# Allegro board HY_CH482X_V10_240923.brd
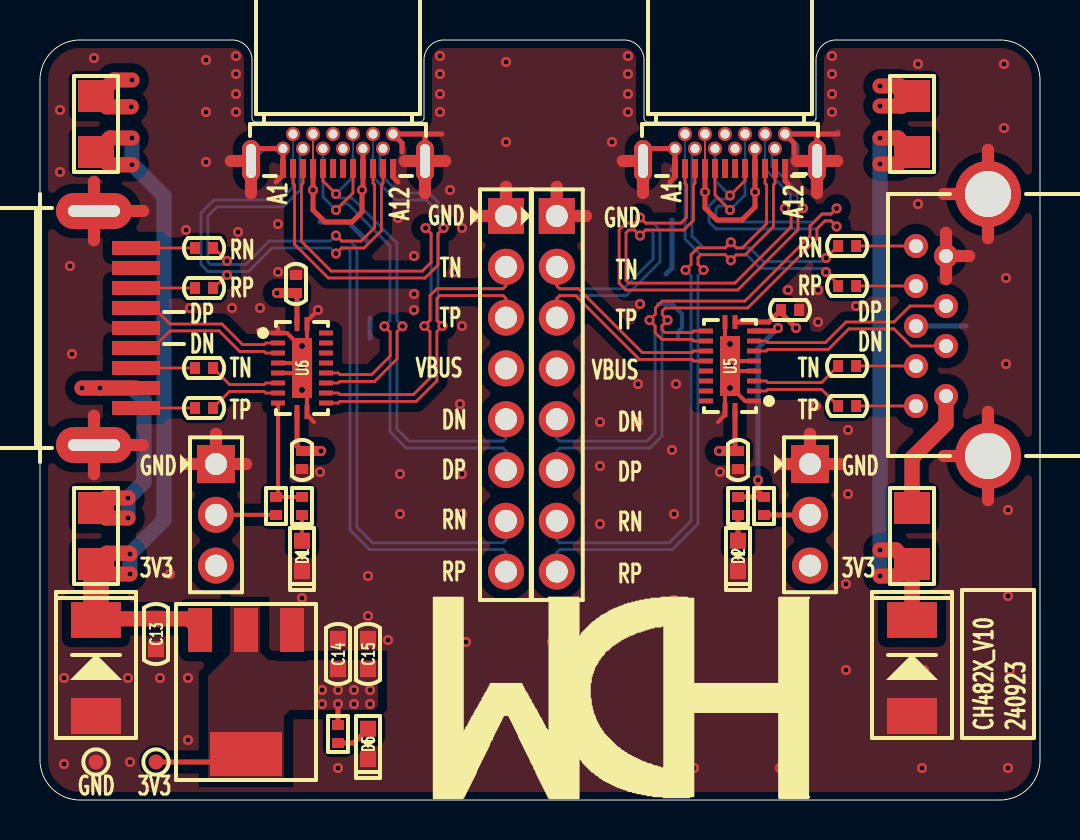
[diagram p0: board, top side]
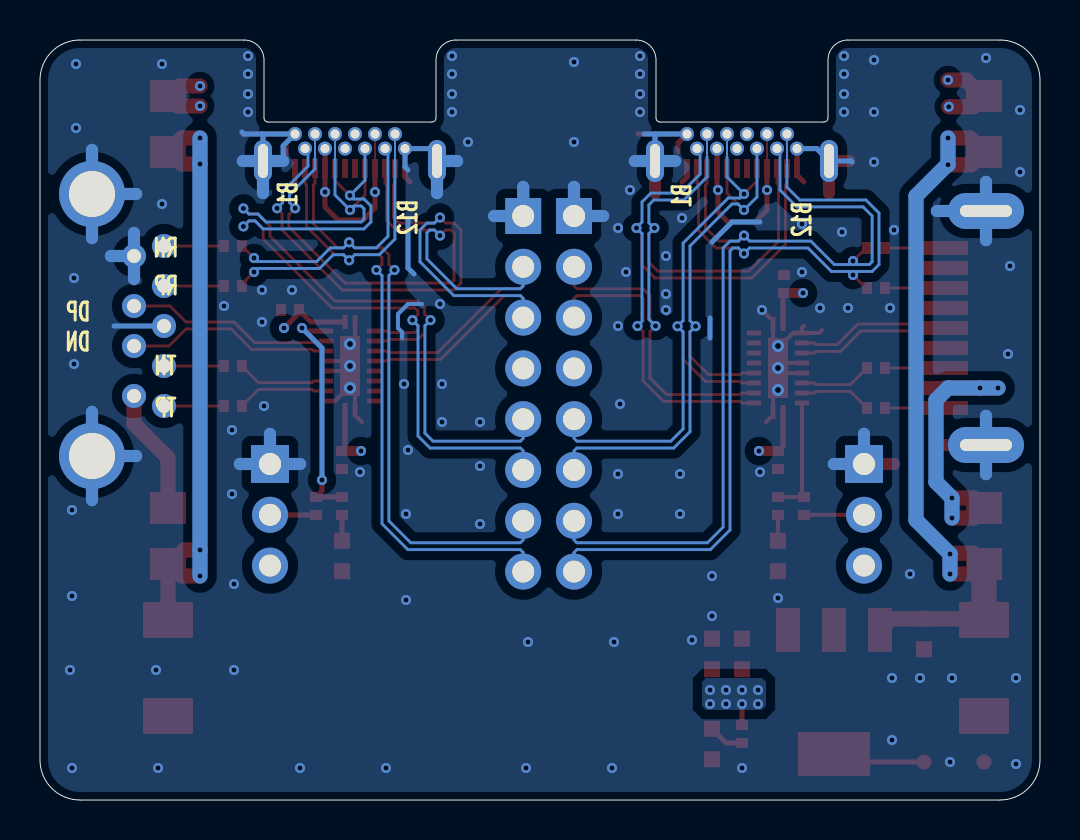
[diagram p1: board, bottom side, seen from below]

Outline 50 x 38 mm; copper layers: TOP, L02_GND, L03_VCC, BOTTOM. Coordinates in mm from the lower left corner of the outline.
Outline path: 0,36 arc(0.59,37.41) 2,38 9.6,38 arc(10.31,37.71) 10.6,37 10.6,34.1 arc(10.66,33.96) 10.8,33.9 19,33.9 arc(19.14,33.96) 19.2,34.1 19.2,37 arc(19.49,37.71) 20.2,38 29.2,38 arc(29.91,37.71) 30.2,37 30.2,34.1 arc(30.26,33.96) 30.4,33.9 38.6,33.9 arc(38.74,33.96) 38.8,34.1 38.8,37 arc(39.09,37.71) 39.8,38 48,38 arc(49.41,37.41) 50,36 50,2 arc(49.41,0.59) 48,0 2,0 arc(0.59,0.59) 0,2 0,36

## Design rules (mm)
constraint set DEFAULT: min track width 0.1, pair gap 0.203
net group 1_SSRX2_: nets 1_SSRX2_N 1_SSRX2_P
net group 1_SSTX2_: nets 1_SSTX2_N 1_SSTX2_P
net group 1_TX_: nets 1_TX_N 1_TX_P
net group 1_USB_D: nets 1_USB_D+ 1_USB_D-
net group 1_USBD_: nets 1_USBD_N 1_USBD_P
net group SSRX2_: nets SSRX2_N SSRX2_P
net group SSTX2_: nets SSTX2_N SSTX2_P
net group TX_: nets TX_N TX_P
net group USB_D: nets USB_D+ USB_D-
net group USBD_: nets USBD_N USBD_P

## Placement (name value [footprint] x y rotation side)
C1  10nF_50V  [C0402]  40.36 27.7 0 top
C2  10nF_50V  [C0402]  8.2 27.6 180 top
C3  100nF_50V  [C0402]  12.8 25.8 270 top
C4  10nF_50V  [C0402]  40.36 25.7 0 top
C5  10nF_50V  [C0402]  8.2 25.6 180 top
C6  100nF_50V  [C0402]  37.5 24.5 180 top
C7  10nF_50V  [C0402]  40.36 21.7 0 top
C8  10nF_50V  [C0402]  8.2 21.6 180 top
C9  10nF_50V  [C0402]  40.36 19.7 0 top
C10  10nF_50V  [C0402]  8.2 19.6 180 top
C11  100nF_50V  [C0402]  13.1 17 90 top
C12  100nF_50V  [C0402]  34.9 17 90 top
C13  4.7uF_16V  [C0603]  5.8 8.3 270 top
C14  4.7uF_16V  [C0603]  14.9 7.3 90 top
C15  4.7uF_16V  [C0603]  16.4 7.3 90 top
D1  RED  [LED0603]  13.1 12.2 270 top
D2  RED  [LED0603]  34.9 12.2 270 top
D3  P6SMB6.8CA  [DO-214AA]  2.8 6.6 270 top
D4  P6SMB6.8CA  [DO-214AA]  43.6 6.6 270 top
D5  RED  [LED0603]  16.4 2.8 270 top
F1  SL1206300  [FUSE1206]  2.8 33.8 90 top
F2  SL1206300  [FUSE1206]  43.6 33.8 90 top
F3  SL1206300  [FUSE1206]  2.8 13.2 270 top
F4  SL1206300  [FUSE1206]  43.6 13.2 270 top
J1  -  [CN1X8-2P54-Z]  23.3 29.2 270 top
J2  -  [CN1X8-2P54-Z]  25.84 29.2 270 top
J3  -  [CN1X3-2P54-Z]  8.8 16.8 270 top
J4  -  [CN1X3-2P54-Z]  38.5 16.8 270 top
NOREF  -  []  0 0 0 top
NOREF#2  -  []  0 0 90 top
R1  1K  [R0402]  11.8 14.7 90 top
R2  1K  [R0402]  13.1 14.7 270 top
R3  1K  [R0402]  34.9 14.7 270 top
R4  1K  [R0402]  36.2 14.7 90 top
R5  2.2K  [R0402]  14.9 3.3 270 top
TP1  TP/NI  [TP-0R75]  2.8 1.9 0 top
TP2  TP/NI  [TP-0R75]  5.8 1.9 0 top
U1  -  [U261-241N-4BC2LS]  14.9 33.8 180 top
U2  -  [U261-241N-4BC2LS]  34.5 33.8 180 top
U3  -  [U231-091N-1BLRC19-F1]  45.3 23.7 90 top
U4  -  [U237-091N-4BLVS10-1]  3.9 23.6 270 top
U5  CH482X  [QFN20-4R5X2R5X0R5-3R0X1R0]  34.5 21.7 90 top
U6  CH482X  [QFN20-4R5X2R5X0R5-3R0X1R0]  13.1 21.6 270 top
U7  LDL1117S33R  [SOT223]  10.3 5.4 180 top

## Library data of the parts
C1 C2 C4 C5 C7-C10 = cap_0
C3 C6 C11-C15 = CAP NP_2
D1 D2 D5 = LED
D3 D4 = P6SMB_1
F1-F4 = FUSE
J1 J2 = CONN RCPT 8/SM
J3 J4 = CONN RCPT 3
R1-R5 = R_Generic
TP1 TP2 = TestPoint
U1 U2 = USB-C-24P_0
U3 U4 = U237-091N-4BLVS20_0
U5 U6 = CH482X_0
U7 = AMS1117-3.3

## Footprints (pads in the part's own frame, mm; a bottom-side part is the same pattern mirrored in y, then rotated)
C0402
  rect 0.5x0.6 smd: 1(-0.45,0) 2(0.45,0)
C0603
  rect 0.8x0.8 smd: 1(-0.762,0) 2(0.762,0)
CN1X3-2P54-Z
  rect 1.9x1.9 hole 1.1: 1(0,0)
  round 1.8 hole 1.1: 2(2.54,0) 3(5.08,0)
CN1X8-2P54-Z
  rect 1.8x1.8 hole 1.1: 1(0,0)
  round 1.8 hole 1.1: 2(2.54,0) 3(5.08,0) 4(7.62,0) 5(10.16,0) 6(12.7,0) 7(15.24,0) 8(17.78,0)
DO-214AA
  rect 1.8x2.5 smd: 1(2.4,0) 2(-2.4,0)
FUSE1206
  rect 1.6x1.8 smd: 1(-1.4,0) 2(1.4,0)
LED0603
  rect 0.8x0.8 smd: 1(-0.762,0) 2(0.762,0)
QFN20-4R5X2R5X0R5-3R0X1R0
  rect 0.25x0.7 smd: 1(-1.75,-1.2) 2(-1.25,-1.2) 3(-0.75,-1.2) 4(-0.25,-1.2) 5(0.25,-1.2) 6(0.75,-1.2) 7(1.25,-1.2) 8(1.75,-1.2) 11(1.75,1.2) 12(1.25,1.2) 13(0.75,1.2) 14(0.25,1.2) 15(-0.25,1.2) 16(-0.75,1.2) 17(-1.25,1.2) 18(-1.75,1.2)
  rect 0.7x0.25 smd: 9(2.2,-0.25) 10(2.2,0.25) 19(-2.2,0.25) 20(-2.2,-0.25)
  rect 3x1 smd: 21(0,0)
R0402
  rect 0.5x0.6 smd: 1(-0.45,0) 2(0.45,0)
SOT223
  rect 1.2x2.2 smd: 1(-2.3,-3.1) 2(0,-3.1) 3(2.3,-3.1)
  rect 3.6x2.2 smd: 4(0,3.1)
TP-0R75
  round 0.75 smd: 1(0,0)
U231-091N-1BLRC19-F1
  round 1.2 hole 0.7: 1(-3.5,0) 2(-1,0) 3(1,0) 4(3.5,0) 5(4,1.5) 6(2,1.5) 7(0,1.5) 8(-2,1.5) 9(-4,1.5)
  round 3.3 hole 2.3: 10(-6.5,-2.1) 11(6.6,-2.1)
U237-091N-4BLVS10-1
  rect 0.7x2.4 smd: 1(3,0.9) 2(1,0.9) 3(-1,0.9) 4(-3,0.9) 5(-4,0.9) 6(-2,0.9) 7(0,0.9) 8(2,0.9) 9(4,0.9)
  oval 1.8x3.8 hole 0.6x2.6: 10(-5.85,-1.2) 11(5.85,-1.2)
U261-241N-4BC2LS
  oval 0.9x2.1 hole 0.5x1.7: 1(-4.35,1.85) 2(4.35,1.85)
  rect 0.3x0.95 smd: A1(2.75,2.225) A2(2.25,2.225) A3(1.75,2.225) A4(1.25,2.225) A5(0.75,2.225) A6(0.25,2.225) A7(-0.25,2.225) A8(-0.75,2.225) A9(-1.25,2.225) A10(-1.75,2.225) A11(-2.25,2.225) A12(-2.75,2.225)
  round 0.7 hole 0.45: B1(-2.75,0.5) B2(-2.25,1.23) B3(-1.75,0.5) B4(-1.25,1.23) B5(-0.75,0.5) B6(-0.25,1.23) B7(0.25,0.5) B8(0.75,1.23) B9(1.25,0.5) B10(1.75,1.23) B11(2.25,0.5) B12(2.75,1.23)

## Nets
GND: C3.1 C6.1 C11.1 C12.1 C13.2 C14.2 C15.2 D1.2(CATHODE) D2.2(CATHODE) D3.1 D4.1 D5.2(CATHODE) J1.1 J2.1 J3.1 J4.1 TP1.1 U1.1 U1.2 U1.A1 U1.A12 U1.B1 U1.B12 U2.1 U2.2 U2.A1 U2.A12 U2.B1 U2.B12 U3.4 U3.7 U3.10 U3.11 U4.4 U4.7 U4.10 U4.11 U5.1 U5.4 U5.5 U5.10 U5.19 U5.21 U6.1 U6.4 U6.5 U6.10 U6.19 U6.21 U7.1
VBUS: C13.1 D3.2 F1.1 F3.2 U7.3
VBUS_TYPEC: F1.2 J1.4 U1.A4 U1.A9 U1.B4 U1.B9
VCC3V3: C3.2 C6.2 C11.2 C12.2 C14.1 C15.1 J3.3 J4.3 R5.1 TP2.1 U5.9 U5.20(VDD_2) U6.9 U6.20(VDD_2) U7.2 U7.4(OUT_2)
1_SSRX2_N: C1.1 J2.7 U2.A10 U2.B10
1_SSRX2_P: C4.1 J2.8 U2.A11 U2.B11
1_SSTX2_N: J2.2 U2.A3 U2.B3 U5.13
1_SSTX2_P: J2.3 U2.A2 U2.B2 U5.14
1_TX_N: C7.1 U5.3
1_TX_P: C9.1 U5.2
1_USB_D+: U3.3 U5.7
1_USB_D-: U3.2 U5.6
1_USBD_N: J2.5 U2.A5 U2.B5 U5.12
1_USBD_P: J2.6 U2.A8 U2.B8 U5.11
1_VBUS: D4.2 F2.1 F4.2
1_VBUS_TYPEC: F2.2 J2.4 U2.A4 U2.A9 U2.B4 U2.B9
GPIO35/SEL: R1.2 R2.1 U6.8
GPIO37/CH482X_SEL_N: R3.1 R4.2 U5.8
SSRX2_N: C2.1 J1.7 U1.A10 U1.B10
SSRX2_P: C5.1 J1.8 U1.A11 U1.B11
SSTX2_N: J1.2 U1.A3 U1.B3 U6.12
SSTX2_P: J1.3 U1.A2 U1.B2 U6.11
TX_N: C8.1 U6.6
TX_P: C10.1 U6.7
USB_D+: U4.3 U6.2
USB_D-: U4.2 U6.3
USBD_N: J1.5 U1.A5 U1.B5 U6.13
USBD_P: J1.6 U1.A8 U1.B8 U6.14
N17527404: F4.1 U3.1(VBUS)
N17527479: C1.2 U3.5
N17527490: C4.2 U3.6
N17527515: C7.2 U3.8
N17527520: C9.2 U3.9
N17532124: F3.1 U4.1(VBUS)
N17532252: C2.2 U4.5
N17532269: C5.2 U4.6
N17532311: C10.2 U4.9
N17536755: J3.2 R1.1
N17542614: J4.2 R4.1
N17546142: C8.2 U4.8
N175319821: D1.1 R2.2
N175324851: D5.1 R5.2
N175425771: D2.1 R3.2

Pads without a net: U1 A6 A7 B6 B7; U2 A6 A7 B6 B7; U5 15 16 17 18; U6 15 16 17 18

## Via types
v1: diameter 0.508, hole 0.254, TOP to BOTTOM, 162 vias
v2: diameter 0.61, hole 0.305, TOP to BOTTOM, 6 vias

## Routing (per net, layer and track width the routed paths; a pad name or vN(x,y) marks a point on that pad's centre or on a via; arc(x,y) is an arc through that point)
GND: length 262.8
  TOP w0.203: U5.1 35.25,19.95 34.76,20.44 34.76,20.6 v2(34.5,20.6) 34.45,20.6 34.25,20.4 U5.19 34.25,19.25 33.9,18.9 ; v2(13.1,20.5) 13.35,20.25 U6.10 13.35,19.25 13.7,18.9 ; 10.9,23.5 11.05,23.35 U6.1 ; U6.1 12.35,23.35 12.84,22.86 12.84,22.7 v2(13.1,22.7) 13.35,22.95 U6.19 13.35,23.95 13.7,24.3 ; U6.1 11.9,23.6 11.8,23.7 ; U5.4 34.75,21.45 v2(34.5,21.7) 34.75,21.95 U5.5 ; U5.10 34.25,23.05 v2(34.5,22.8) ; U6.5 12.85,21.35 v2(13.1,21.6) 12.85,21.85 U6.4
  TOP w0.254: 17.9,30.9 17.65,31.15 17.65,31.57 ; 37.7,32.3 37.7,32.85 U2.B1 38.9,33.3 ; 39.9,33.3 38.9,33.3 ; 38.9,33.3 38.85,33.25 U2.1 ; U2.2 30.15,32.32 30.4,32.57 U2.B12 31.75,31.15 31.5,30.9 ; U1.2 10.55,32.32 10.8,32.57 U1.B12 12.15,31.25 11.8,30.9 ; 37.25,31.57 37.25,30.95 37.4,30.8 ; U1.1 19.25,33.25 19.3,33.3 ; 20.1,33.3 19.3,33.3 ; 19.3,33.3 U1.B1 18.1,32.85 18.1,32.4
  TOP w0.608: U3.11 47.4,32.51 ; U3.11 45.19,30.3 ; U3.11 47.4,28.09 ; U1.1 20.26,31.95 ; U1.1 19.25,30.34 ; U1.1 18.24,31.95 ; J3.1 8.8,18.31 ; J3.1 10.31,16.8 ; J3.1 7.29,16.8 ; U4.10 2.7,30.91 ; U4.10 2.7,27.99 ; U4.10 5.16,29.45 ; 45.3,26.04 U3.4 ; U3.4 45.3,28.36 ; U3.4 46.46,27.2 ; 29.14,31.95 U2.2 30.15,30.34 ; 2.7,16.29 U4.11 ; U4.11 5.16,17.75 ; U4.11 2.7,19.21 ; 23.3,30.66 J1.1 21.84,29.2 ; 25.84,30.66 J2.1 27.3,29.2 ; J4.1 40.01,16.8 ; J4.1 38.5,18.31 ; J4.1 36.99,16.8 ; 45.19,17.2 U3.10 ; U3.10 47.4,19.41 ; U3.10 47.4,14.99 ; U2.1 39.86,31.95 ; U2.1 38.85,30.34 ; U2.1 37.84,31.95 ; 9.54,31.95 U1.2 10.55,30.34
  L02_GND w0.608: 9.54,31.95 U1.2 10.55,30.34 ; U2.1 39.86,31.95 ; U2.1 37.84,31.95 ; U2.1 38.85,30.34 ; 45.19,17.2 U3.10 ; U3.10 47.4,14.99 ; U3.10 47.4,19.41 ; 27.3,29.2 J2.1 25.84,30.66 ; 36.99,16.8 J4.1 ; J4.1 38.5,18.31 ; J4.1 40.01,16.8 ; 2.7,16.29 U4.11 ; U4.11 5.16,17.75 ; U4.11 2.7,19.21 ; 2.7,27.99 U4.10 ; U4.10 2.7,30.91 ; U4.10 5.16,29.45 ; 30.15,30.34 U2.2 29.14,31.95 ; J3.1 10.31,16.8 ; J3.1 8.8,18.31 ; J3.1 7.29,16.8 ; 19.25,30.34 U1.1 ; U1.1 18.24,31.95 ; U1.1 20.26,31.95 ; 21.84,29.2 J1.1 23.3,30.66 ; 47.4,28.09 U3.11 ; U3.11 45.19,30.3 ; U3.11 47.4,32.51 ; 45.3,26.04 U3.4 ; U3.4 46.46,27.2 ; U3.4 45.3,28.36
  L03_VCC w0.608: 2.7,27.99 U4.10 ; U4.10 2.7,30.91 ; U4.10 5.16,29.45 ; 25.84,30.66 J2.1 27.3,29.2 ; 23.3,30.66 J1.1 21.84,29.2 ; 45.3,26.04 U3.4 ; U3.4 45.3,28.36 ; U3.4 46.46,27.2 ; 47.4,14.99 U3.10 ; U3.10 45.19,17.2 ; U3.10 47.4,19.41 ; 18.24,31.95 U1.1 ; U1.1 19.25,30.34 ; U1.1 20.26,31.95 ; U4.11 5.16,17.75 ; U4.11 2.7,16.29 ; U4.11 2.7,19.21 ; 38.5,18.31 J4.1 40.01,16.8 ; 45.19,30.3 U3.11 ; U3.11 47.4,32.51 ; U3.11 47.4,28.09 ; 8.8,18.31 J3.1 7.29,16.8
  BOTTOM w0.203: 31.9,23.1 31.9,23.4 32.1,23.6 32.1,24.3 31.6,24.8 30.9,24.8
  BOTTOM w0.254: 39.9,33.4 39.8,33.3 38.9,33.3 ; 16.5,23.1 16.5,24.1 ; U2.2 30.15,32.32 30.4,32.57 U2.B12 31.75,31.65 31.6,31.5 ; 16.4,27.9 15.4,28.9 14,28.9 ; 38.9,33.3 38.85,33.25 U2.1 ; 38.9,33.3 U2.B1 37.84,32.71 37.84,31.95 ; 31.3,26.3 31.6,26.6 31.6,29 ; 9.4,31.9 9.45,31.95 U1.2 11.17,32.57 U1.B12 ; U1.B1 19.2,33.3 ; 19.2,33.3 19.25,33.25 U1.1 ; 19.2,33.3 19.8,33.3 ; U3.7 46.3,23.7
  BOTTOM w0.608: 36.99,16.8 J4.1 ; J4.1 38.5,18.31 ; J4.1 40.01,16.8 ; 45.3,26.04 U3.4 ; U3.4 45.3,28.36 ; U3.4 46.46,27.2 ; 47.4,28.09 U3.11 ; U3.11 45.19,30.3 ; U3.11 47.4,32.51 ; 25.84,30.66 J2.1 27.3,29.2 ; 47.4,14.99 U3.10 ; U3.10 45.19,17.2 ; U3.10 47.4,19.41 ; 23.3,30.66 J1.1 21.84,29.2 ; 2.7,19.21 U4.11 2.7,16.29 ; U2.1 39.86,31.95 ; U2.1 38.85,30.34 ; U2.1 37.84,31.95 ; 10.31,16.8 J3.1 8.8,18.31 ; 18.24,31.95 U1.1 20.26,31.95 ; U4.10 5.16,29.45 ; U4.10 2.7,27.99 ; U4.10 2.7,30.91 ; 29.14,31.95 U2.2 30.15,30.34
  vias: v1(1,34.5) v1(1,31.4) v1(1.2,6.1) v1(1.2,1.8) v1(1.5,26.7) v1(1.6,22.3) v1(2.7,37.1) v1(4.4,6.1) v1(4.5,1.9) v1(6,6.1) v1(6.5,11.3) v1(7.3,28.5) v1(7.4,6.1) v1(7.4,3) v1(7.5,24.6) v1(8.3,37) v1(8.3,34.4) v1(8.3,31.9) v1(9.6,24.6) v1(9.8,37.2) v1(9.8,36.3) v1(9.8,35.3) v1(9.8,34.4) v1(9.9,28.4) v1(11,24.6) v1(11.9,28.8) v1(11.9,26.4) v1(13.1,10.1) v1(13.9,24.5) v1(14,16.4) v1(14.9,1.6) v1(16.4,11.2) v1(16.4,9.2) v1(17.4,8) v1(17.9,29.1) v1(18,16.3) v1(18,14.3) v1(18.7,27.2) v1(18.7,25.3) v1(18.7,24.5) v1(20,37.2) v1(20,36.3) v1(20,35.3) v1(20,34.4) v1(20.5,30.5) v1(20.7,26.4) v1(21,19.8) v1(21.1,28.6) v1(21.1,23.7) v1(21.1,16.3) v1(21.1,14.3) v1(21.3,7.9) v1(21.4,1.6) v1(23.3,36.9) v1(23.3,32.9) v1(25.6,7.9) v1(25.7,1.6) v1(28,18.9) v1(28,16.7) v1(28,13.8) v1(28.6,32.9) v1(29.4,37.2) v1(29.4,36.3) v1(29.4,35.3) v1(29.4,34.4) v1(29.9,20.8) v1(29.9,18.9) v1(30,24.8) v1(31.6,17.5) v1(31.7,14.3) v1(31.7,10) v1(31.8,20.8) v1(32.7,1.6) v1(34,16.4) v1(37,1.6) v1(37.4,25.5) v1(38.8,19.7) v1(38.9,25.5) v1(38.9,23.9) v1(39.6,37.2) v1(39.6,36.3) v1(39.6,35.3) v1(39.6,34.4) v1(40.3,10.8) v1(40.3,6.5) v1(40.4,18.5) v1(40.4,15.3) v1(40.8,24.7) v1(43.9,36.8) v1(43.9,29.8) v1(44.1,1.6) v1(44.2,6.5) v1(48.2,36.8) v1(48.2,33.6) v1(48.3,26.1) v1(48.3,21.8) v1(48.4,14.5) v1(48.4,10.2) v1(48.4,1.6) v1(48.5,6.5)
VBUS: length 39.4
  TOP w0.762: v1(4.5,11.3) 3.3,11.3 F3.2 3.34,12.34 4.46,12.34 v1(4.5,12.3) ; v1(4.6,31.76) 3.44,31.76 F1.1 3.5,33.1 v1(4.6,33.1) ; D3.2 2.86,9.06 C13.1 7.44,9.06 U7.3
  TOP w1.27: F3.2 D3.2
  BOTTOM w0.762: v1(4.6,33.1) v1(4.6,31.76) 4.64,31.76 6.2,30.2 6.2,14 v1(4.5,12.3) v1(4.5,11.3)
VBUS_TYPEC: length 50.7
  TOP w0.1: U1.B9 13.65,31.57
  TOP w0.254: 13.65,31.57 v1(13.65,30.5) 13.65,29.5 14.25,28.9 15.6,28.9 16.1,29.4 v1(16.1,30.5) 16.15,30.55 U1.B4
  TOP w0.762: v1(4.6,36) 3.7,36 2.9,35.2 F1.2 3.34,34.66 v1(4.56,34.66)
  L03_VCC w0.1: 13.9,31.5 13.65,31.75 U1.B9
  L03_VCC w0.762: U1.B4 16.1,32.52 16.1,31.4 ; v1(4.6,36) 4.56,35.96 v1(4.56,34.66) 6.6,32.62 6.6,30.66 7.36,29.9 13,29.9 13.6,30.5 v1(13.65,30.5) 13.65,31.25 13.9,31.5 16,31.5 16.1,31.4 ; 16.1,31.4 v1(16.1,30.5) 16.1,22.5 17.02,21.58 J1.4
VCC3V3: length 22.3
  TOP w0.254: R5.1 v1(14.9,4.8) ; U6.20 12.85,25.3 C3.2 ; U5.20 34.75,17.6 C12.2 ; U5.9 36.45,23.9 C6.2 37.05,24.35 v1(37.8,23.6) ; C11.2 12.85,17.7 U6.9 ; TP2.1 9.9,1.9 U7.4
  TOP w0.508: C3.2 v1(11.85,25.35) ; C12.2 v1(33.95,17.45) ; C11.2 v1(14.05,17.45)
  L03_VCC w1.27: 11.1,11.7 11.08,11.72 J3.3 ; J4.3 36.62,11.72 36.6,11.7
  vias: v1(14.1,5.5) v1(14.1,4.8) v1(14.9,5.5) v1(15.7,5.5) v1(15.7,4.8) v1(16.5,5.5) v1(16.5,4.8)
1_SSRX2_N: length 42
  TOP w0.142: C1.1 39.9,27.7 v1(39.3,27.1) ; v1(32.28,26.5) 32.55,26.78 32.55,27.26 32.9,27.61 34.26,27.61 v1(34.54,27.89) 34.83,27.6 35.11,27.6 36.33,28.82 36.33,30.76 36.25,30.84 36.25,31.57
  BOTTOM w0.142: U2.B10 32.6,32.42 32.6,28.19 33.18,27.61 34.26,27.61 v1(34.54,27.89) 34.82,27.61 35.48,27.61 36.17,26.92 39.12,26.92 v1(39.3,27.1) ; J2.7 25.84,13 25.98,12.86 31.46,12.86 32.55,13.95 32.55,26.22 v1(32.28,26.5)
1_SSRX2_P: length 43.9
  TOP w0.142: 36.75,31.57 36.75,30.84 36.67,30.76 36.67,28.67 35.25,27.25 34.81,27.25 v1(34.54,26.99) 34.26,27.26 33.04,27.26 32.9,27.12 32.9,26.78 v1(33.18,26.5) ; C4.1 39.91,25.79 v1(39.3,26.4)
  BOTTOM w0.1: U2.B11 32.25,31.95
  BOTTOM w0.142: J2.8 25.84,12.38 25.98,12.52 31.61,12.52 32.9,13.81 32.9,26.22 v1(33.18,26.5) ; 32.25,31.95 32.25,31.95 32.25,28.05 33.04,27.26 34.26,27.26 v1(34.54,26.99) 34.82,27.26 35.34,27.26 36.02,26.58 39.12,26.58 v1(39.3,26.4)
1_SSTX2_N: length 42.2
  TOP w0.142: J2.2 25.84,25.7 25.98,25.56 26.93,25.56 30.12,22.37 32.61,22.37 32.69,22.45 U5.13 ; 32.75,31.57 32.75,30.84 32.67,30.76 32.67,28.98 32.19,28.5 30.28,28.5 v1(30,28.22) 29.72,28.5 29.44,28.5 29.3,28.36 29.3,25.99 29.44,25.85 34.75,25.85 37.55,28.65 37.55,29.28 v1(37.24,29.59)
  BOTTOM w0.1: 36.25,32.05 U2.B3
  BOTTOM w0.142: v1(30,28.22) 30.28,28.5 30.51,28.5 30.65,28.36 30.65,27.05 29.16,25.56 25.98,25.56 25.84,25.7 J2.2 ; v1(37.24,29.59) 37.52,29.87 37.52,30.28 36.25,31.55 36.25,32.05 36.25,32.05
1_SSTX2_P: length 43.7
  TOP w0.142: 32.25,31.57 32.25,30.84 32.33,30.76 32.33,29.13 32.05,28.85 30.28,28.85 v1(30,29.12) 29.72,28.85 29.3,28.85 28.95,28.5 28.95,25.84 29.3,25.5 34.89,25.5 37.9,28.51 37.9,29.34 v1(38.15,29.59) ; J2.3 25.84,25.08 25.98,25.22 26.78,25.22 29.97,22.03 32.61,22.03 32.69,21.95 U5.14
  BOTTOM w0.142: U2.B2 36.6,32.42 36.6,31.69 37.87,30.42 37.87,29.87 v1(38.15,29.59) ; v1(30,29.12) 30.28,28.85 30.66,28.85 31,28.5 31,26.91 29.31,25.22 25.98,25.22 25.84,25.08 J2.3
1_TX_N: length 4.6
  TOP w0.142: U5.3 36.31,20.95 36.39,20.87 39.08,20.87 C7.1
1_TX_P: length 4.6
  TOP w0.142: C9.1 39.08,20.53 36.39,20.53 36.31,20.45 U5.2
1_USB_D+: length 10.4
  TOP w0.142: U3.3 43.5,24.7 42.7,23.9 40.3,23.9 39.27,22.87 36.39,22.87 36.31,22.95 U5.7
1_USB_D-: length 10.4
  TOP w0.142: U5.6 36.31,22.45 36.39,22.53 39.42,22.53 40.44,23.55 42.7,23.55 43.55,22.7 U3.2
1_USBD_N: length 41.7
  TOP w0.142: v1(39.83,29.58) 39.55,29.3 39.1,29.3 38.5,28.7 38.5,28.2 35.25,24.95 31.11,24.95 30.77,24.6 30.77,24.29 v1(30.48,23.99) 30.75,23.72 30.75,23.37 31.1,23.03 32.61,23.03 32.69,22.95 U5.12 ; v1(34.5,29.5) 33.75,30.25 33.75,31.57
  BOTTOM w0.1: 35.25,32.05 U2.B5
  BOTTOM w0.142: v1(30.48,23.99) 30.58,23.89 30.58,23.89 30.75,23.71 30.75,18.34 30.35,17.94 25.98,17.94 25.84,18.08 J2.5 ; v1(39.83,29.58) 39.55,29.3 39.1,29.3 38.7,28.9 33.94,28.9 33.8,29.04 33.8,29.56 33.94,29.7 34.3,29.7 v1(34.5,29.5) 35.25,30.25 35.25,32.05
1_USBD_P: length 40.1
  TOP w0.142: U5.11 32.69,23.45 32.61,23.37 31.24,23.37 31.1,23.51 31.1,23.72 v1(31.38,23.99) 31.11,24.26 31.11,24.46 31.26,24.6 35.39,24.6 38.85,28.06 38.85,28.56 39.24,28.95 39.55,28.95 v1(39.83,28.68) ; 35.25,31.57 35.25,30.97 v1(34.5,30.23)
  BOTTOM w0.142: v1(31.38,23.99) 31.1,23.72 31.1,18.2 30.5,17.6 25.98,17.6 25.84,17.46 J2.6 ; U2.B8 33.75,30.98 v1(34.5,30.23) 34.32,30.05 33.8,30.05 33.45,29.71 33.45,28.9 33.8,28.55 38.84,28.55 39.24,28.95 39.55,28.95 v1(39.83,28.68)
1_VBUS: length 32
  TOP w0.762: v1(42,31.8) 42.9,31.8 43.55,32.45 ; 43.5,11.8 F4.2 D4.2 ; 43.5,11.8 42.9,11.2 v1(42,11.2) ; 43.5,11.8 42.8,12.5 v1(42,12.5) ; 43.55,32.45 42.9,33.1 v1(42,33.1) ; 43.55,32.45 F2.1
  BOTTOM w0.762: v1(42,33.1) v1(42,31.8) v1(42,12.5) v1(42,11.2)
1_VBUS_TYPEC: length 46.5
  TOP w0.1: 33.25,31.57 U2.B9
  TOP w0.254: U2.B4 v1(35.75,30.4) 35.75,29.65 35.1,29 33.85,29 33.25,29.6 v1(33.25,30.4) 33.25,31.57
  TOP w0.762: v1(42,35.7) 43,35.7 43.5,35.2 F2.2 43.1,34.7 v1(42,34.7)
  L03_VCC w0.1: 33.3,32 33.25,32.05 U2.B9
  L03_VCC w0.254: 33.3,32 33.3,31.7 33.9,31.1
  L03_VCC w0.508: 35.05,31.1 33.9,31.1 33.25,30.45 v1(33.25,30.4) ; 35.05,31.1 35.75,31.8 U2.B4 ; 35.05,31.1 v1(35.75,30.4)
  L03_VCC w0.762: v1(35.75,30.4) 39.94,30.4 40.7,31.16 40.7,33.4 v1(42,34.7) v1(42,35.7) ; v1(33.25,30.4) 29.2,30.4 28.6,29.8 28.6,22.1 28.08,21.58 J2.4
GPIO35/SEL: length 6
  TOP w0.203: R2.1 R1.2 11.9,15.25 U6.8
GPIO37/CH482X_SEL_N: length 11.6
  TOP w0.254: v1(36.9,23.6) 36.75,23.45 U5.8 ; R3.1 R4.2 35.9,15.45 v1(35.9,16)
  BOTTOM w0.254: v1(35.9,16) 35.9,22.6 v1(36.9,23.6)
SSRX2_N: length 47.1
  TOP w0.142: v1(14.8,28.22) 15.08,27.95 16.06,27.95 16.73,28.62 16.73,30.76 16.65,30.84 16.65,31.57 ; C2.1 8.7,27.6 v1(9.35,26.95)
  BOTTOM w0.142: J1.7 23.3,13 23.16,12.86 16.63,12.86 15.85,13.64 15.85,27.6 15.5,27.95 15.08,27.95 v1(14.8,28.22) 14.52,27.95 11.46,27.95 10.28,26.77 9.53,26.77 v1(9.35,26.95) 9.17,26.77 8.54,26.77 8.39,26.91 8.39,29.21 8.84,29.65 12.15,29.65 13,30.5 13,32.42 U1.B10
SSRX2_P: length 48.9
  TOP w0.142: 17.15,31.57 17.15,30.84 17.07,30.76 17.07,28.47 16.2,27.6 15.08,27.6 v1(14.8,27.32) ; v1(9.35,26.25) 8.7,25.6 C5.1
  BOTTOM w0.1: U1.B11 12.65,33.3 12.65,32.78 12.65,32.78 12.65,31.8 12.65,31.8
  BOTTOM w0.142: 12.65,31.8 12.65,30.64 12.01,30 8.7,30 8.05,29.35 8.05,26.77 8.39,26.43 9.17,26.43 v1(9.35,26.25) 9.53,26.43 10.43,26.43 11.6,27.6 14.52,27.6 v1(14.8,27.32) 15.08,27.6 15.36,27.6 15.5,27.46 15.5,13.5 16.48,12.52 23.16,12.52 23.3,12.38 J1.8
SSTX2_N: length 39.7
  TOP w0.142: U6.12 14.91,20.35 14.99,20.27 18.67,20.27 19.5,21.1 19.5,23.42 v1(19.22,23.7) 19.5,23.98 19.5,25.22 19.84,25.56 23.16,25.56 23.3,25.7 J1.2 ; 13.15,31.57 13.15,30.84 13.07,30.76 13.07,27.93 14.55,26.45 19.11,26.45 19.55,26.89 19.55,28.32 v1(19.28,28.6)
  BOTTOM w0.1: 16.65,32.15 U1.B3
  BOTTOM w0.142: 16.65,32.15 16.65,31.15 17.8,30 19.31,30 19.55,29.76 19.55,28.85 19.3,28.6 v1(19.28,28.6) 19.55,28.32 19.55,24.03 v1(19.22,23.7)
SSTX2_P: length 40.2
  TOP w0.142: 12.65,31.57 12.65,30.84 12.73,30.76 12.73,27.78 14.41,26.1 19.26,26.1 19.9,26.74 19.9,28.32 v1(20.18,28.6) ; J1.3 23.3,25.08 23.16,25.22 19.99,25.22 19.85,25.08 19.85,23.98 v1(20.12,23.7) 19.85,23.42 19.85,20.96 18.82,19.93 14.99,19.93 14.91,19.85 U6.11
  BOTTOM w0.142: v1(20.12,23.7) 19.9,23.92 19.9,28.32 v1(20.18,28.6) 20.18,28.62 19.9,28.9 19.9,29.9 19.45,30.35 17.94,30.35 17,31.29 17,32.42 U1.B2
TX_N: length 3.6
  TOP w0.142: U6.6 11.29,20.85 11.21,20.77 9.48,20.77 C8.1
TX_P: length 3.6
  TOP w0.142: U6.7 11.29,20.35 11.21,20.43 9.48,20.43 C10.1
USB_D+: length 7.9
  TOP w0.142: U4.3 5.7,24.6 6.5,23.8 9.1,23.8 10.13,22.77 11.21,22.77 11.29,22.85 U6.2
USB_D-: length 7.9
  TOP w0.142: U4.2 5.65,22.6 6.5,23.45 8.96,23.45 9.98,22.43 11.21,22.43 11.29,22.35 U6.3
USBD_N: length 31
  TOP w0.142: 14.15,31.57 14.15,30.95 v1(14.8,30.3) ; v1(18.12,23.69) 17.85,23.42 17.85,22.05 16.73,20.93 14.99,20.93 14.91,20.85 U6.13
  BOTTOM w0.1: 15.65,32.15 U1.B5
  BOTTOM w0.142: J1.5 23.3,18.08 23.16,17.94 18.46,17.94 17.85,18.55 17.85,23.41 v1(18.12,23.69) 17.85,23.97 17.85,27.84 15.59,30.1 15,30.1 v1(14.8,30.3) 15.65,31.15 15.65,32.15
USBD_P: length 31.4
  TOP w0.142: v1(14.8,29.5) 15.65,30.35 15.65,31.57 ; v1(17.22,23.69) 17.51,23.4 17.51,22.2 16.58,21.27 14.99,21.27 14.91,21.35 U6.14
  BOTTOM w0.142: J1.6 23.3,17.46 23.16,17.6 18.31,17.6 17.5,18.41 17.5,23.41 v1(17.22,23.69) 17.5,23.97 17.5,27.7 15.4,29.8 15.1,29.8 v1(14.8,29.5) 14.15,30.15 U1.B8
N17527404: length 6.3
  TOP w0.762: F4.1 43.6,17.1 45.3,18.8 U3.1
N17527479: length 3
  TOP w0.142: U3.5 C1.2
N17527490: length 3
  TOP w0.142: U3.6 C4.2
N17527515: length 3
  TOP w0.142: U3.8 C7.2
N17527520: length 3
  TOP w0.142: U3.9 C9.2
N17532124: length 15.9
  TOP w0.762: v1(4.4,14.1) 3.3,14.1 F3.1 3.3,15.1 v1(4.4,15.1) ; v1(2.1,20.6) v1(3,20.6) U4.1
  BOTTOM w0.762: v1(4.4,14.1) v1(4.4,15.1) 5.2,15.9 5.2,20 4.6,20.6 v1(3,20.6) v1(2.1,20.6)
N17532252: length 3
  TOP w0.142: U4.5 C2.2
N17532269: length 3
  TOP w0.142: U4.6 C5.2
N17532311: length 3
  TOP w0.142: U4.9 C10.2
N17536755: length 3
  TOP w0.203: R1.1 11.79,14.26 J3.2
N17542614: length 2.3
  TOP w0.254: J4.2 38.49,14.25 R4.1
N17546142: length 3
  TOP w0.142: U4.8 C8.2
N175319821: length 1.3
  TOP w0.203: R2.2 D1.1
N175324851: length 1.8
  TOP w0.254: D5.1 15.69,2.85 R5.2
N175425771: length 1.3
  TOP w0.254: R3.2 D2.1

## Copper pours and planes (outline as drawn; the poured copper is in the pictures)
GND on TOP: 49.6,2 49.13,0.87 48,0.4 2,0.4 0.87,0.87 0.4,2 0.4,36 0.87,37.13 2,37.6 9.6,37.6 10.02,37.42 10.2,37 10.2,34.1 10.38,33.68 10.8,33.5 19,33.5 19.42,33.68 19.6,34.1 19.6,37 19.78,37.42 20.2,37.6 29.2,37.6 29.62,37.42 29.8,37 29.8,34.1 29.98,33.68 30.4,33.5 38.6,33.5 39.02,33.68 39.2,34.1 39.2,37 39.38,37.42 39.8,37.6 48,37.6 49.13,37.13 49.6,36 ; 17 cut-outs
GND on BOTTOM: 49.6,2 49.13,0.87 48,0.4 2,0.4 0.87,0.87 0.4,2 0.4,36 0.87,37.13 2,37.6 9.6,37.6 10.02,37.42 10.2,37 10.2,34.1 10.38,33.68 10.8,33.5 19,33.5 19.42,33.68 19.6,34.1 19.6,37 19.78,37.42 20.2,37.6 29.2,37.6 29.62,37.42 29.8,37 29.8,34.1 29.98,33.68 30.4,33.5 38.6,33.5 39.02,33.68 39.2,34.1 39.2,37 39.38,37.42 39.8,37.6 48,37.6 49.13,37.13 49.6,36 ; 10 cut-outs
GND on L02_GND: 49.6,2 49.13,0.87 48,0.4 2,0.4 0.87,0.87 0.4,2 0.4,36 0.87,37.13 2,37.6 9.6,37.6 10.02,37.42 10.2,37 10.2,34.1 10.38,33.68 10.8,33.5 19,33.5 19.42,33.68 19.6,34.1 19.6,37 19.78,37.42 20.2,37.6 29.2,37.6 29.62,37.42 29.8,37 29.8,34.1 29.98,33.68 30.4,33.5 38.6,33.5 39.02,33.68 39.2,34.1 39.2,37 39.38,37.42 39.8,37.6 48,37.6 49.13,37.13 49.6,36 ; 6 cut-outs
GND on L03_VCC: 49.6,2 49.13,0.87 48,0.4 2,0.4 0.87,0.87 0.4,2 0.4,36 0.87,37.13 2,37.6 9.6,37.6 10.02,37.42 10.2,37 10.2,34.1 10.38,33.68 10.8,33.5 19,33.5 19.42,33.68 19.6,34.1 19.6,37 19.78,37.42 20.2,37.6 29.2,37.6 29.62,37.42 29.8,37 29.8,34.1 29.98,33.68 30.4,33.5 38.6,33.5 39.02,33.68 39.2,34.1 39.2,37 39.38,37.42 39.8,37.6 48,37.6 49.13,37.13 49.6,36 ; 9 cut-outs
VCC3V3 on TOP: 9.5,9.7 9.5,7.3 8.4,6.2 8.4,1.1 12.2,1.1 12.2,4.2 12.5,4.5 16.7,4.5 16.9,4.7 16.9,7 11.4,7 11,7.4 11,9.7
VCC3V3 on BOTTOM: 13.9,6.1 16.7,6.1 16.9,5.9 16.9,4.7 16.7,4.5 13.9,4.5 13.7,4.7 13.7,5.9
VCC3V3 on L03_VCC: 14.1,25.7 10.8,25.7 10.5,25.4 10.5,5 11.1,4.4 36.6,4.4 37.1,4.9 37.1,17.9 38.2,19 38.2,23.8 38.1,23.9 36.8,23.9 33.6,20.7 33.6,7 33.1,6.5 15.5,6.5 14.4,7.6 14.4,25.4

## Text on the board
Ref Des/Silkscreen Bottom: RN | RP | TN | TP | DP | DN | B12 | B1
Ref Des/Silkscreen Top: GND | 3V3 | DP | DN | RN | RP | TN | TP | VBUS | A1 | A12 | CH482X_V10 | 240923
DIMENSION: SCALE: NONE | Layers | Single Ended | Differential | If the angle of PCB board outline is circular,please use this kind of break out area | If not use it,please delete it before you gerber out | If the angle of PCB board outline is right angle,please use this kind of break out area | AS usual,please use the 0.8MM stamp Via | L1 | L4 | 5.00 | 50 | 4.2 | 6.00 | 100 | 4.70 | 90 | Trace Width | (Mils) | Impedance | (Ohms) | Trace Spacing | "Airgap" | A_TARGET:0.2 mm | B_TARGET:1.065 mm | C_TARGET:0.2 mm | ___ PUBI (PUBLIC INFORMATION) | ___ FIUO (HY INTERNAL USE ONLY) | ___ FCP (HY CONFIDENTIAL PROPRIETARY) | THIS DOCUMENT CONTAINS INFORMATION | PROPRIETARY TO FREESCALE AND SHALL | NOT BE USED FOR ENGINEERING DESIGN | PROCUREMENT OR MANUFACTURE IN WHOLE | OR IN PART WITHOUT THE CONSENT OF | NXP. | 1. THIS DRAWING SPECIFIES THE REQUIREMENTS FOR A | 2. THE PWB MUST BE LEAD FREE ASSEMBLY PROCESS COMPATIBLE AND MUST BE ABLE TO HANDLE | 3. BASE MATERIAL - LAMINATE AND PREPREG SHALL MEET IPC-4101B-26, 83 or 98 | Tg - MUST BE GREATER THAN OR EQUAL TO 150 DEGREES CELSIUS. | Td - MUST BE GREATER THAN OR EQUAL TO 330 DEGREES CELSIUS. | 4. COPPER FOIL WEIGHT - SEE STACKUP DETAIL 'A' | 5. CHARACTERISTIC IMPEDANCE - SEE DETAIL 'B' | 6. MINIMUM CONDUCTIVE WIDTH/SPACING TO BE .00X"/.00X" | 7. PLATING FINISH - BOTH SIDES ENIG (ELECTROLESS NICKEL IMMERSION GOLD): | 8. ALL THROUGH HOLE VIAS MAY BE PLATED SHUT. | - MUST BE UL RECOGNIZED AND MUST HAVE AN ID THAT CONFORMS TO UL94V-0 | 9. SOLDERMASK - GREEN COLOR (TAIYO OR EQUIVALENT), BOTH SIDES. | 10. SILKSCREEN - WHITE EPOXY INK, BOTH SIDES.  NO SILK ON PADS. | 11. ELECTRICAL TEST - 100% IPCD356. | 12. PRINTED WIRING BOARD IS TO BE INDIVIDUALLY BAGGED. | 13. DRC'S MUST BE RUN ON THE GERBER BEFORE BUILDING BOARDS, | UNLESS PRIOR APPROVAL IS GIVEN IN WRITING BY FREESCALE. | 14. ADD TEARDROPS TO ALL SIGNAL LAYERS. | 15. SOLDER SAMPLES TO BE PROVIDED. | 16. BASIC GRID INCREMENT AT 1:1 IS .0001. | 17. SUPPLIER MARKINGS - ON SOLDER SIDE ONLY, WHERE SHOWN. | MODIFICATION OF SOLDERMASK IS NOT ALLOWED WITHOUT WRITTEN PERMISSION FROM FREESCALE. | WITH SPECIFICATION IPC-A-600 CLASS 2 (LATEST REVISION). | A MINIMUM OF 5 CYCLES AT 260 DEGREES CELSIUS FOR 10 SECONDS. | 18. THE PWB WILL BE MARKED AS LEAD FREE BY USE OF AN INK STAMP Pb | 19. THE PWB WILL BE MARKED AS LEAD FREE PROCESS COMPATIBLE BY USE OF AN INK STAMP 260 C | 21. FINISHED PCB MUST BE PANELIZED FOR ASSEMBLY ACCORDING TO CONTRACT MANUFACTURING REQUIREMENT. | ADDITION OF .25" RAILS AND .125" NON-PLATED TOOLING HOLES ARE AT THE DISCRETION | OF CONTRACT MANUFACTURER AND FAB HOUSE. | PANELIZATION MUST BE APPROVED BY FREESCALE. | 2.540-6.350 MICRON (100-250 MICROINCH) OF NICKEL. | .05080-.232 MICRON (2-8 MICROINCH) OF GOLD OVER | PRINTED WIRING BOARD IN ACCORDANCE | 20. ALL PLATED AND NON-PLATED THROUGH HOLES ARE TO BE DRILLED AT PRIMARY DRILL STEP. | ALL HOLE LOCATION TOLERANCES ARE TO BE +/-.002 IN REFERENCE TO THE PRIMARY DATUM. | X | XXXLZJXXX | V10A | 18-12-18 | JLC7628:  1.6mm THK +/- 10% | LAYER 1  TOP SIDE          1oz+plating | LAYER 2  GND PLANE         1/2oz. | LAYER 3  VCC PLANE         1/2oz. | LAYER 4  BOTTOM SIDE       1oz+plating | FINISHED Cu WEIGHT | NO-***** | 1/1 | CAD-***** | 1 | DETAIL A | LAYER STACKUP | DETAIL B | IMPEDANCE REQUIREMENTS | IMPEDANCE TOLERANCE IS 10% | FAB-***** | A2
DEVICE_TYPE_TOP: FIGURE | FINISHED_SIZE | 0.254 | 0.3048 | 0.45 | 0.7 | 1.1 | 2.3 | 1.7x0.5 | 2.6x0.6 | DRILLED_SIZE | - | DRILL CHART: TOP to BOTTOM | ALL UNITS ARE IN MILLIMETERS | ROTATION | 90.000 | 0.000 | PLATED | QTY | 162 | 6 | 24 | 9 | 22 | 2 | 4 | 231 | TOTAL HOLES:
